# Altium PCB GEM_AFE_128.PcbDoc (part 1 of 18) (continued)
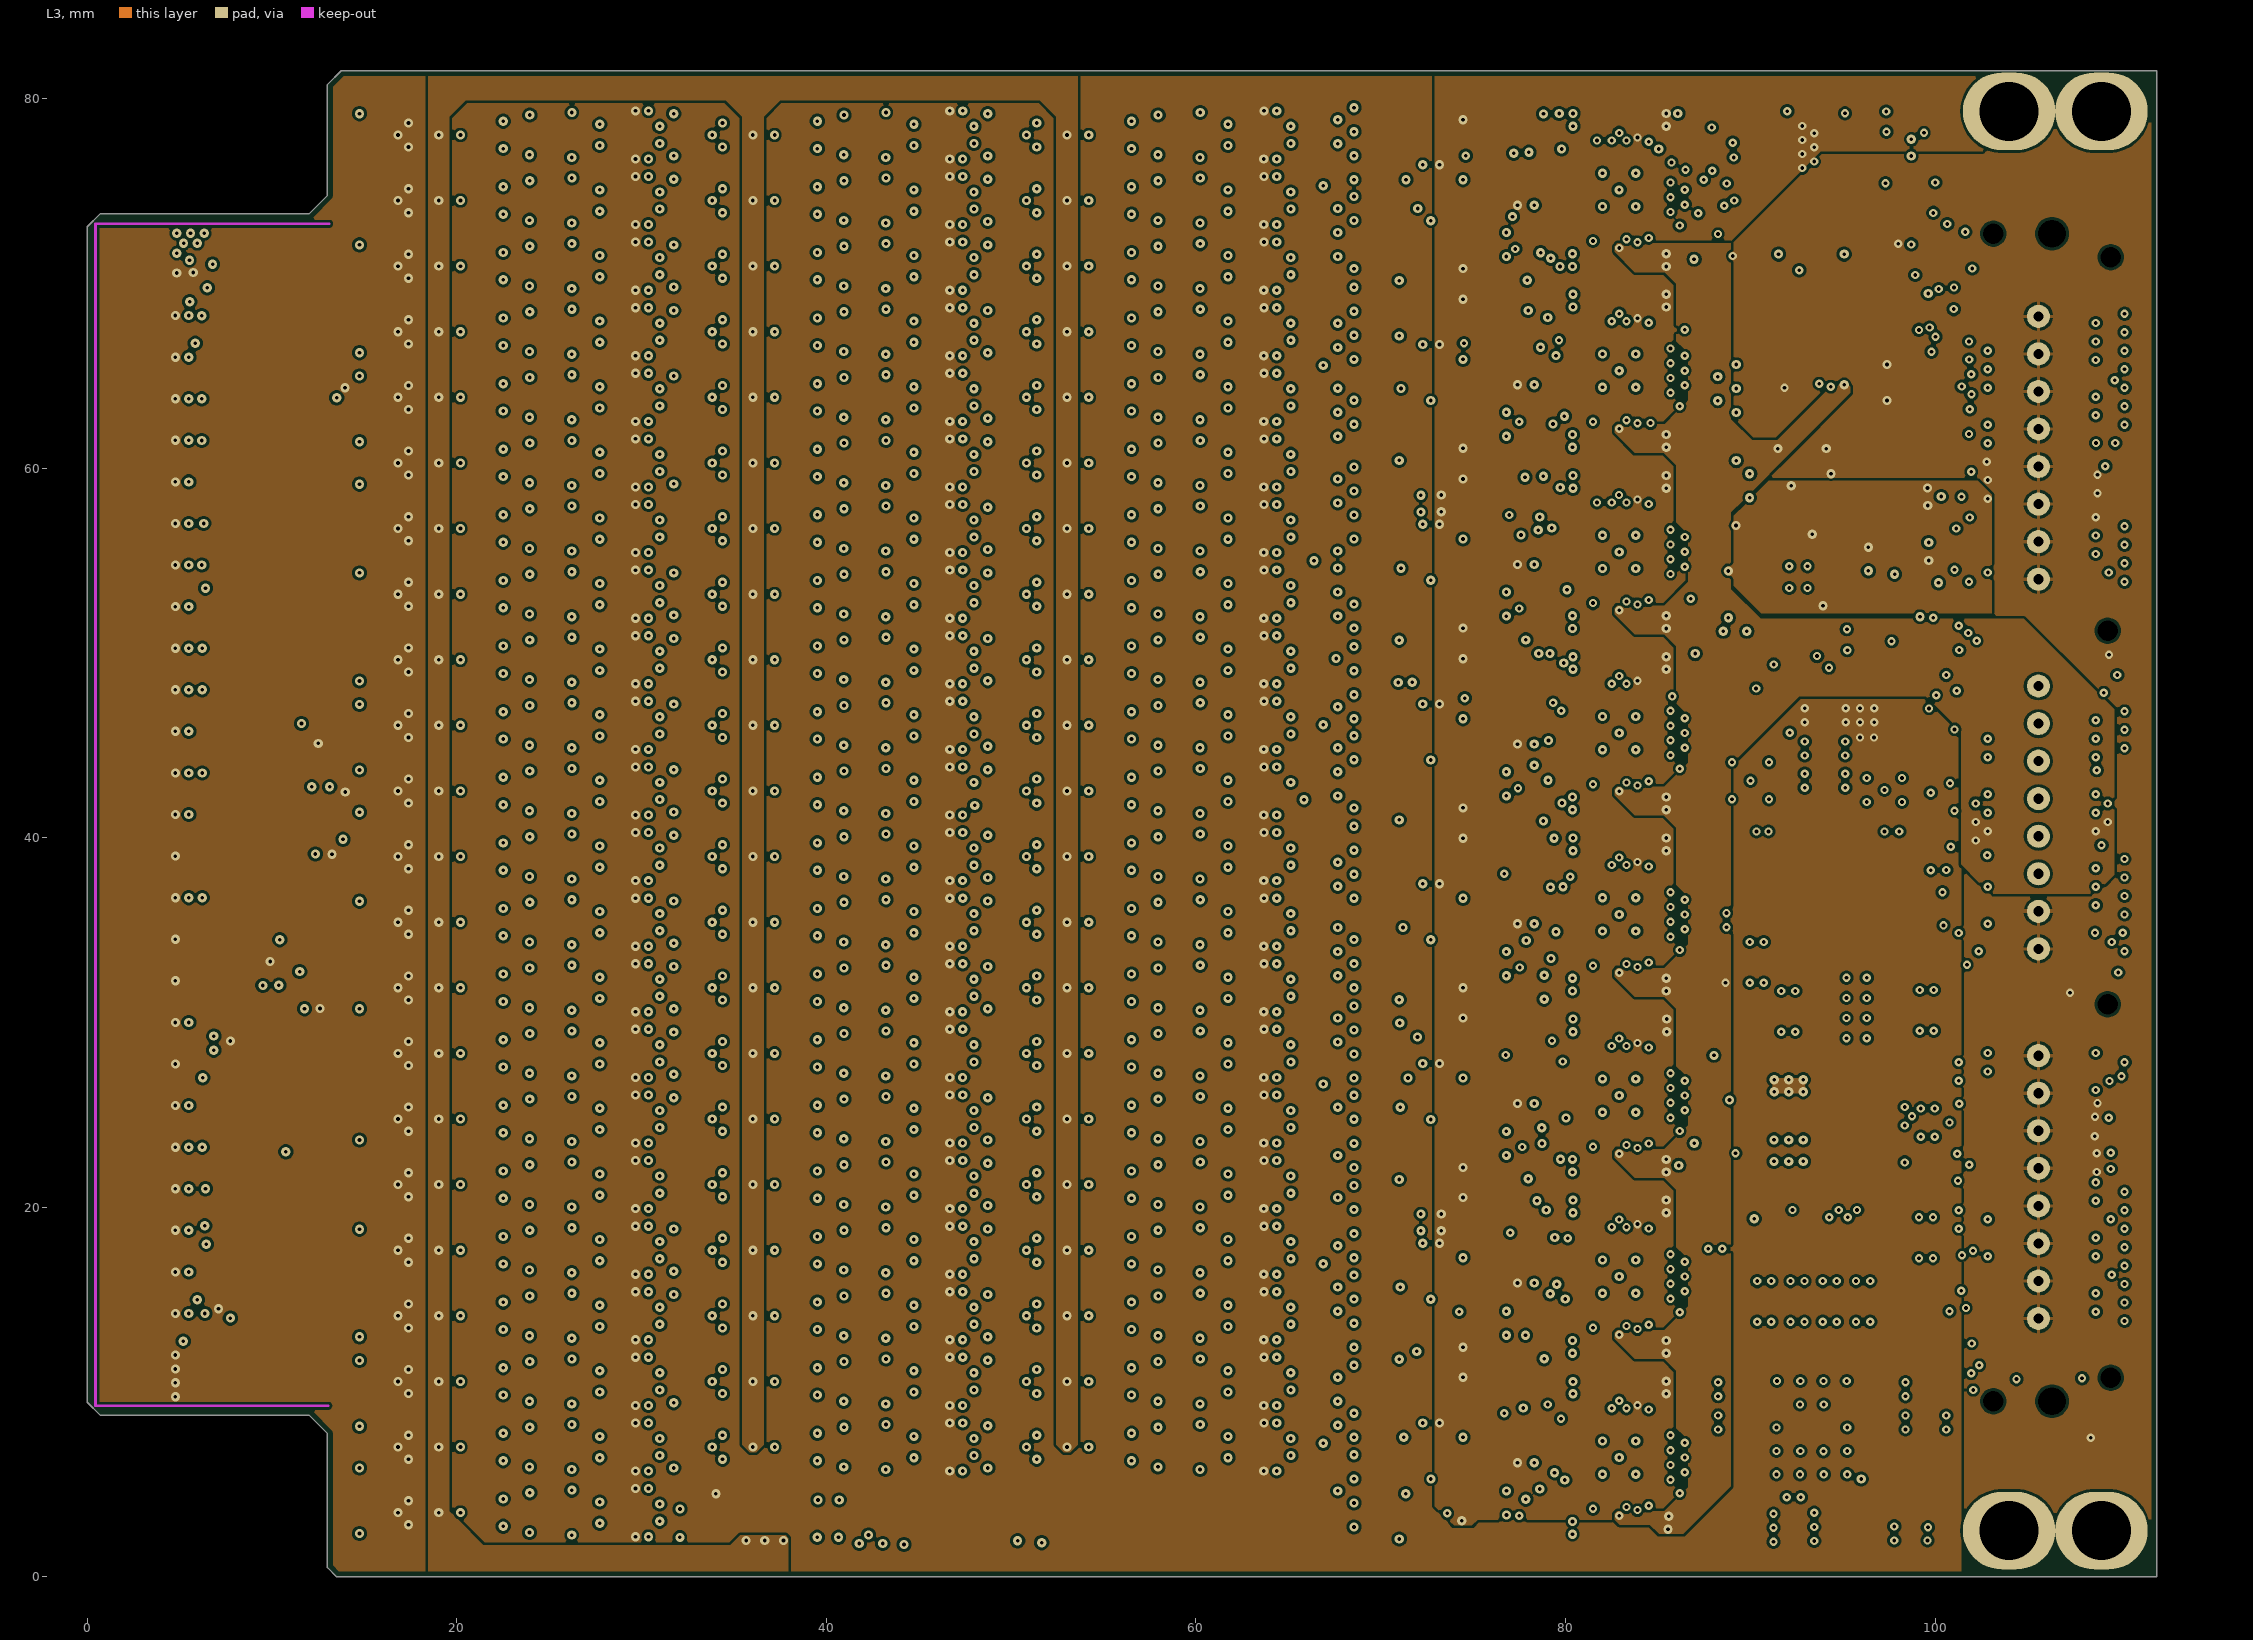
[diagram p4: L3]
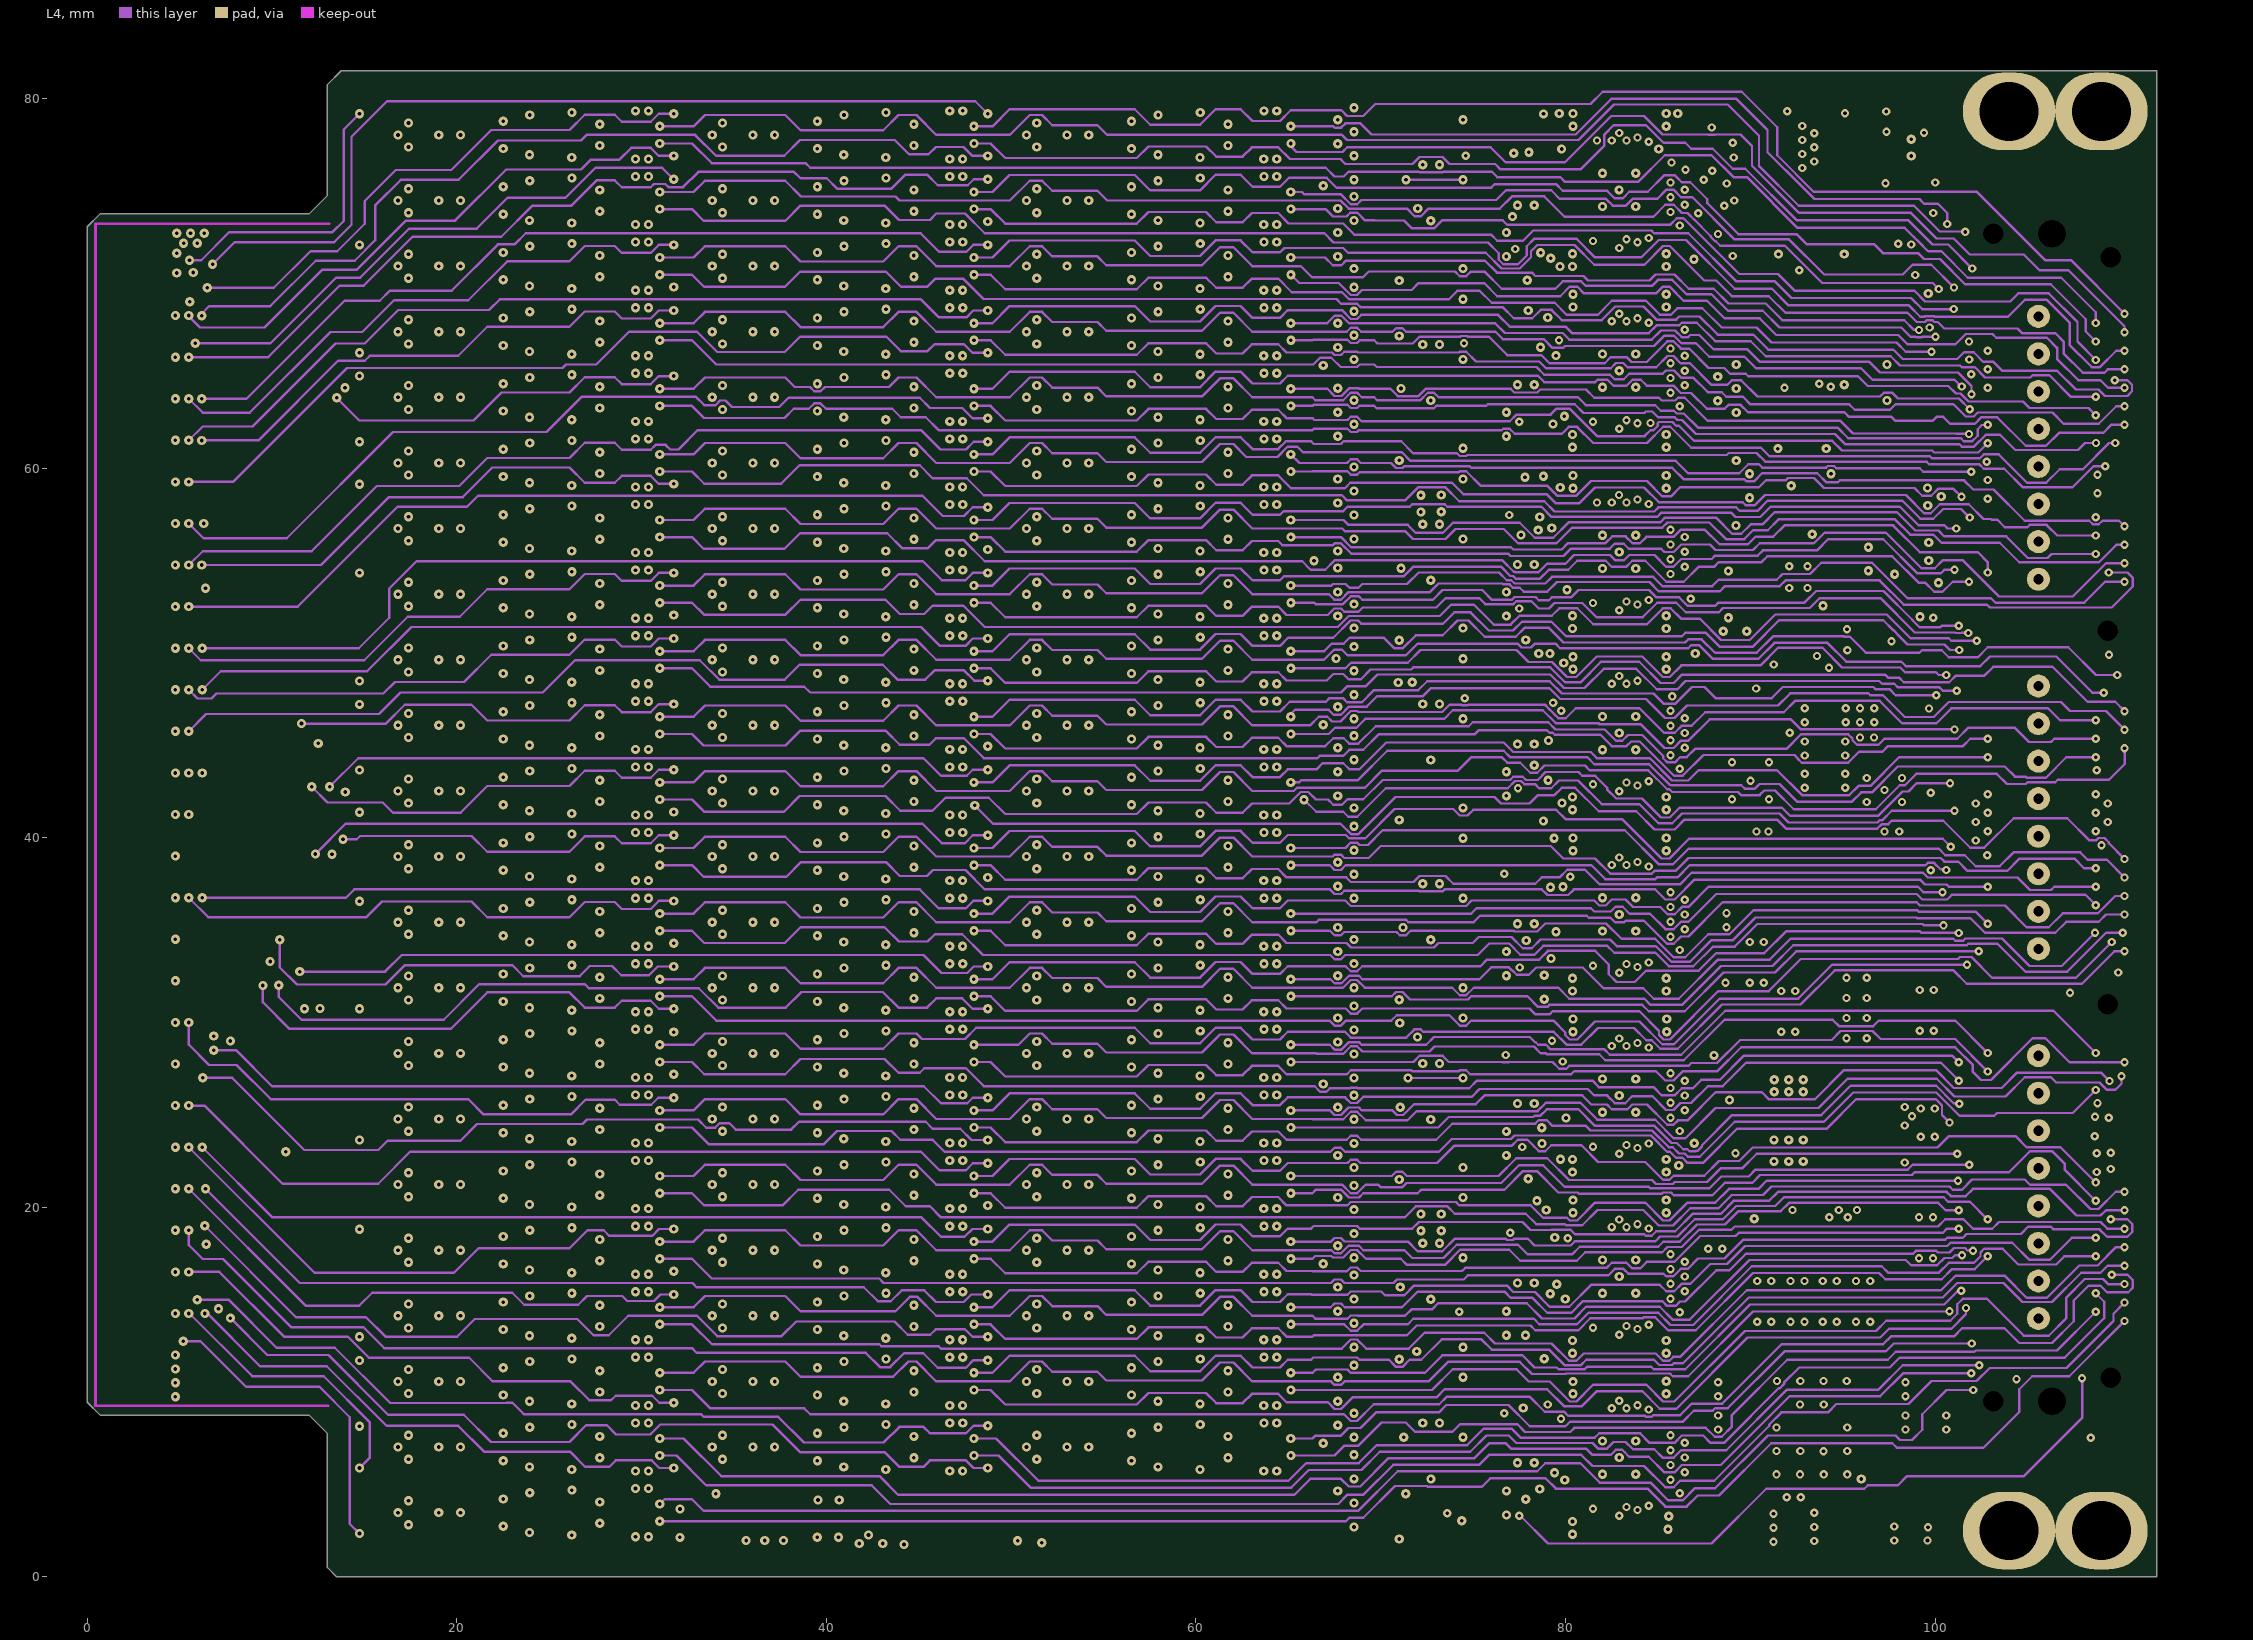
[diagram p5: L4]
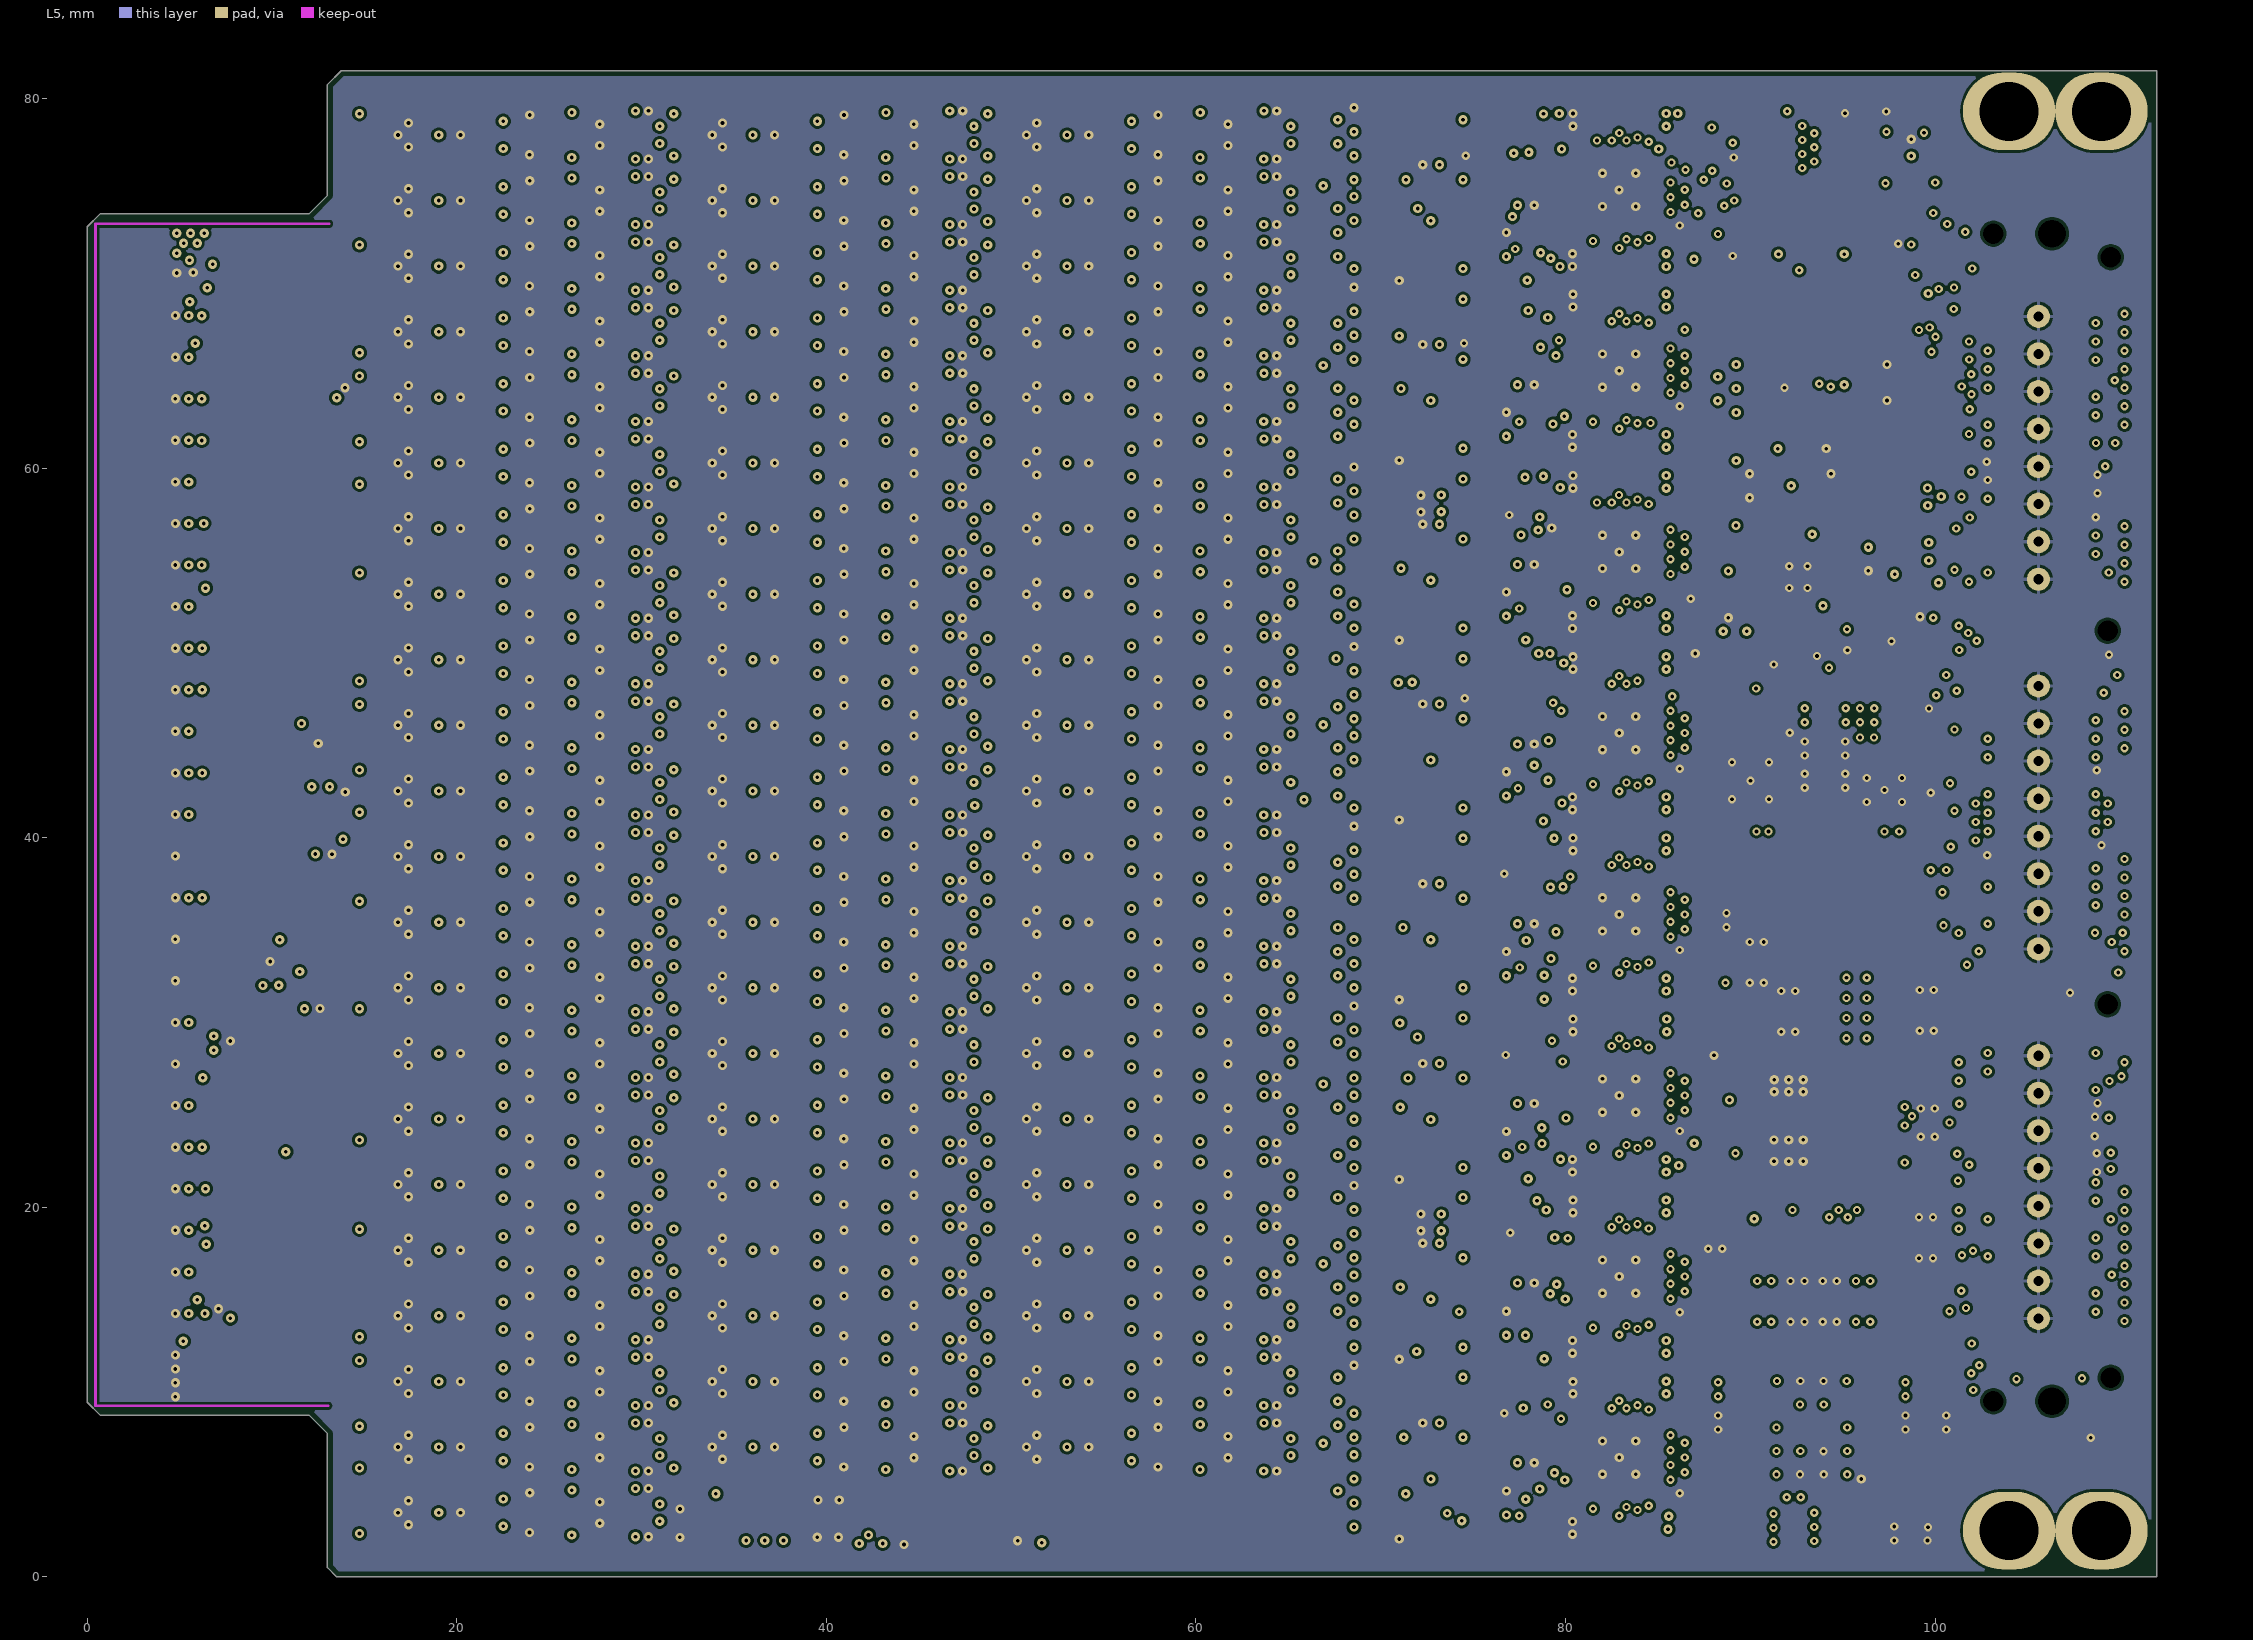
[diagram p6: L5]